# KiCad board Entrex Trapezoid Processor Board v37.kicad_pcb (continued)
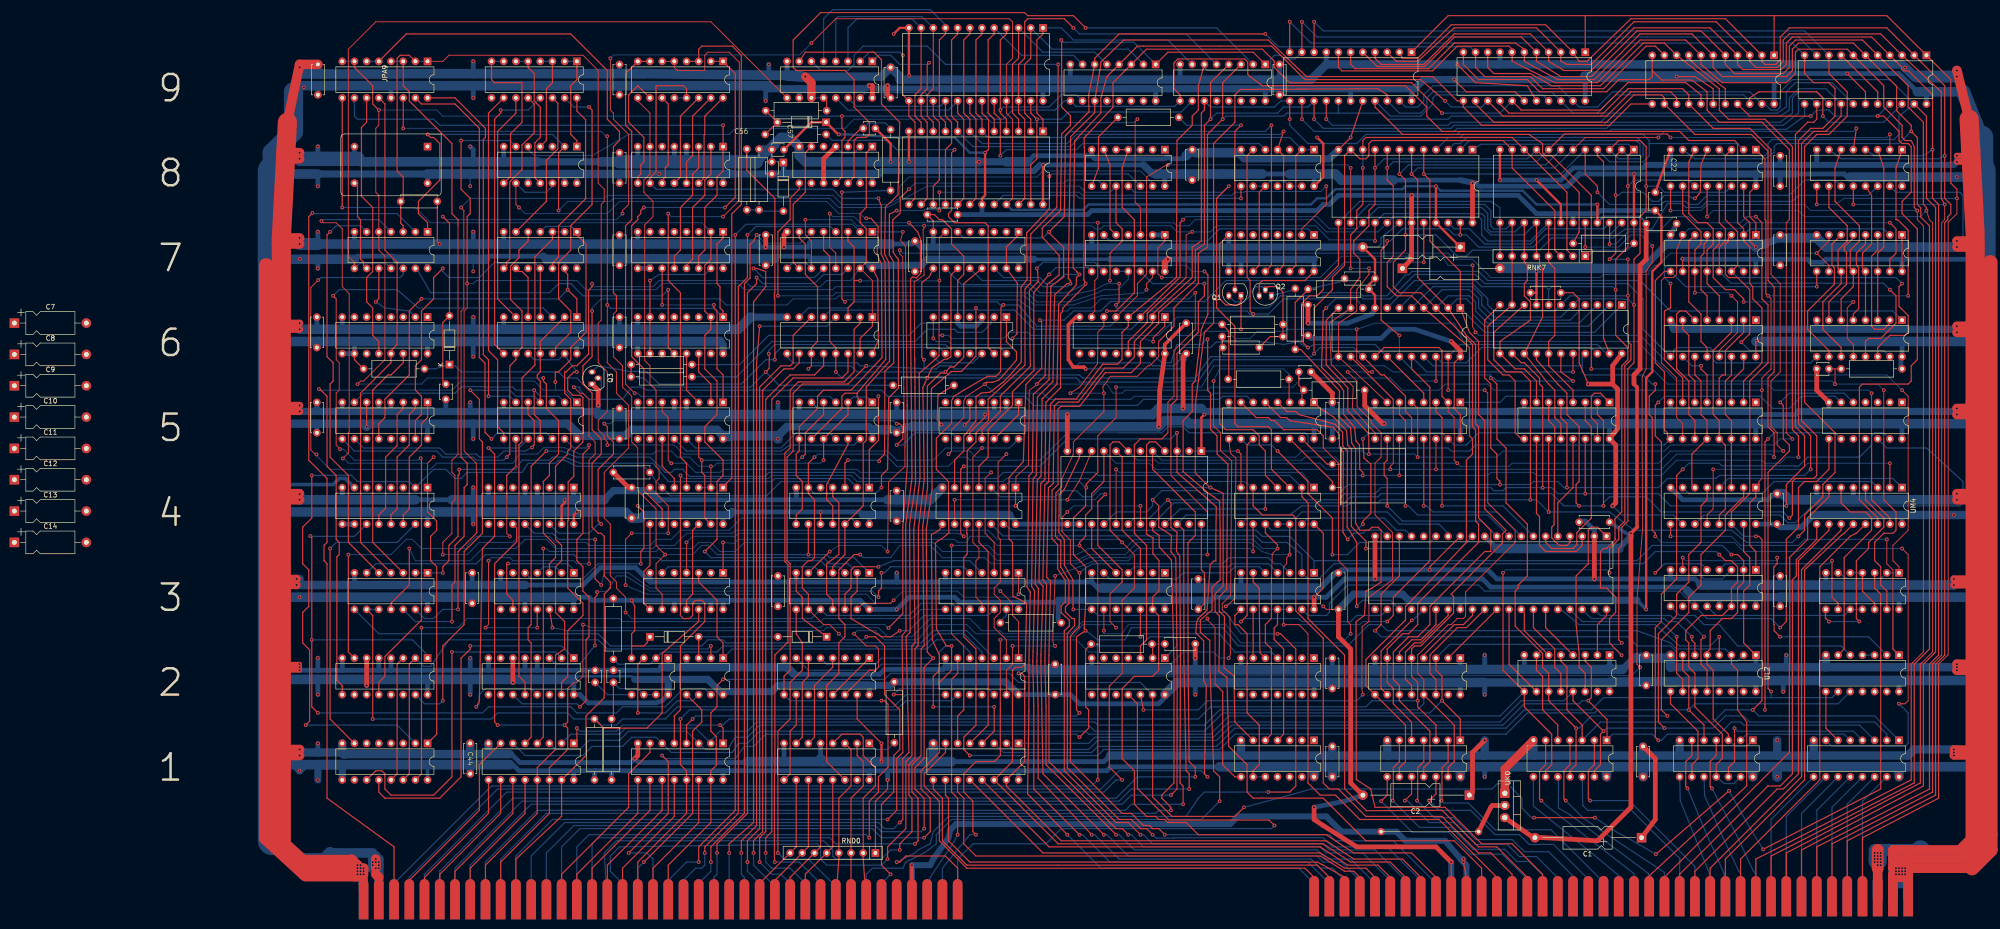
[diagram p0: board, top side]
## Routing (per net, layer and track width the routed paths; a pad name or vN(x,y) marks a point on that pad's centre or on a via; arc(x,y) is an arc through that point) (continued)
  Bottom w0.25: v1(147.72,166.69) 88.66,166.69 87.39,167.96 71.52,167.96 70.88,168.59 JPA9.10 70.88,171.13
JPA9_11: length 56.3
  Top w0.25: JPA9.11 73.42,167.32 72.33,166.24 72.33,151.9 74.69,149.54 74.69,136.21 73.42,134.94 73.42,129.86 74.69,128.59 74.69,122.87 75.96,121.6 UA6.12
JPA9_12: length 106.4
  Top w0.25: JPA9.12 77.23,171.13 77.23,140.65 79.77,138.11 79.77,120.97 78.5,119.7 UA6.13 78.5,117.16 72.15,110.81 72.15,79.69 UA3.4
JPA9_14: length 271.5
  Top w0.2: v1(127.4,65.09) 127.4,68.26 125.49,70.17 125.49,71.44 124.22,72.71 124.22,83.5 122.95,84.77 122.95,94.3 128.03,99.38 128.03,108.27 125.49,110.81 125.49,115.25 123.59,117.16 v1(123.59,129.22) 123.59,164.38 v1(123.55,164.41)
  Top w0.25: JPA9.14 v1(81.04,166.05) ; UC7.1 147.72,143.19 146.44,141.92 146.44,133.67 147.08,133.03 147.08,128.59 147.72,127.95 UC6.1
  Bottom w0.2: 128.66,63.82 v1(127.4,65.09) ; v1(81.04,166.05) 88.03,166.05 88.66,165.42 122.31,165.42 123.59,164.15
  Bottom w0.25: UC6.1 145.9,128.5 124.31,128.5 v1(123.59,129.22) ; 128.66,63.82 166.13,63.82 UD3.10 169.31,64.45 186.45,64.45 188.99,66.99 195.34,66.99 UE3.9
JPA9_15: length 95.5
  Top w0.25: v1(99.46,101.28) 98.09,102.64 98.09,117.07 96.91,118.25 96.91,166.05 91.84,171.13 84.85,171.13 JPA9.15
  Bottom w0.25: v1(99.46,101.28) 100.72,102.55 110.88,102.55 UB5.12
JPA9_16: length 77.5
  Top w0.25: JPA9.16 91.84,172.4 98.19,166.05 98.19,164.15 97.74,163.7 97.74,118.88 98.82,117.79 v1(98.82,110.17)
  Bottom w0.25: v1(98.82,110.17) 103.26,110.17 UB5.6
JPB9_1: length 21.4
  Top w0.25: JPB9.1 117.24,176.21 115.97,174.94 115.97,164.78 117.24,163.51 UB8.1
  Bottom w0.25: JPB9.1 JPB9.2
JPB9_3: length 21.4
  Top w0.25: UB8.4 110.88,163.51 110.88,174.31 112.16,175.58 JPB9.3
  Bottom w0.25: JPB9.3 JPB9.4
JPB9_6: length 29.9
  Top w0.25: JPB9.5 107.07,178.75 108.34,177.48 108.34,171.77 109.62,170.5 109.62,164.15 108.49,163.02 108.49,155.75 UB8.11
  Bottom w0.25: JPB9.5 JPB9.6
JPB9_8: length 35.5
  Top w0.25: UB8.8 103.41,156.04 103.41,164.93 105.81,167.32 105.81,175.58 100.09,175.58 99.46,176.21 JPB9.8
  Bottom w0.25: JPB9.8 JPB9.7
JPB9_10: length 73.8
  Top w0.25: UB5.8 102,102.55 100.72,103.82 100.72,117.79 98.82,119.7 98.82,169.23 JPB9.10
JPB9_11: length 48.9
  Top w0.25: JPB9.11 104.53,169.23 100.72,165.42 100.72,130.49 UB6.6
JPB9_12: length 38.7
  Top w0.25: JPB9.12 108.34,171.13 108.34,165.1 105.81,162.56 105.81,157.48 103.26,154.94 103.26,138.75 102.63,138.11 102.63,137.48 UB7.8
JPB9_13: length 61.4
  Top w0.25: v1(101.36,169.86) 101.36,169.23 100.09,167.96 100.09,120.97 UB6.8
  Bottom w0.25: v1(101.36,169.86) 107.07,169.86 JPB9.13
JPB9_14: length 32
  Top w0.25: JPB9.14 113.28,171.28 113.28,161.78 110.88,159.38 110.88,150.81 UB7.6
JPB9_15: length 63.1
  Top w0.25: v1(119.78,170.5) 120.41,169.86 120.41,150.18 115.97,145.73 115.97,140.65 113.43,138.11 113.43,130.49 115.97,127.95 115.97,123.51 112.79,120.33 112.79,119.7 UB6.12
  Bottom w0.25: JPB9.15 116.6,170.5 v1(119.78,170.5)
JPB9_16: length 39.2
  Top w0.25: JPB9.16 117.24,169.68 119.05,167.87 119.05,151.54 119.14,151.45 113.43,145.73 113.43,139.24 112.16,137.97 UB7.12
JPC9_1: length 121.8
  Top w0.25: v1(148.1,149.54) 150.25,151.7 150.25,177.48 JPC9.1 JPC9.2 ; v1(131.21,149.54) 130.57,148.91 130.57,148.27 129.94,147.64 129.94,147 128.66,145.73 128.66,118.43 131.21,115.89 131.21,90.49 135.01,86.68 UC4.9
  Bottom w0.2: v1(131.21,149.54) 148.35,149.54
JPC9_3: length 106.8
  Top w0.25: JPC9.4 JPC9.3 142.63,182.56 143.27,183.2 149.62,183.2 151.53,181.29 151.53,150.18 149.53,148.18 149.53,93.12 147.72,91.3 UC4.1
JPC9_5: length 125.9
  Top w0.2: v1(147.72,147.64) 151.1,151.02 151.1,179.81 148.99,181.93 144.54,181.93 143.91,181.29 143.91,178.12 138.19,178.12 137.56,178.75 JPC9.5 JPC9.6
  Top w0.25: v1(136.28,148.27) 136.28,134.3 138.82,131.76 138.82,97.47 140.09,96.2 UC4.4
  Bottom w0.2: v1(136.28,148.27) 136.92,147.64 v1(147.72,147.64)
JPC9_8: length 117.3
  Top w0.2: 127.4,128.38 127.4,112.71 v1(129.3,110.81)
  Top w0.25: 127.4,128.38 127.4,145.73 128.66,147 128.66,165.42 127.4,166.69 127.4,177.48 JPC9.8 JPC9.7
  Bottom w0.2: v1(129.3,110.81) 129.94,110.81 130.57,110.17 169.94,110.17
  Bottom w0.25: UD5.4 169.94,110.17
JPC9_9: length 213.2
  Top w0.2: v1(127.4,70.8) 127.4,80.33 v1(128.66,81.6) ; JPC9.9 129.94,171.77 132.47,169.23 UC8.7 132.47,156.53 131.21,155.26 131.21,152.72 133.11,150.81 133.11,147.64 131.38,145.9 131.38,117.62 132.47,116.52 132.47,112.71 133.75,111.44 133.75,95.57 134.38,94.93 134.38,93.03 133.75,92.39 133.75,89.85 136.28,87.31 v1(136.28,81.6) ; v1(183.28,67.63) 182.64,66.99 176.93,66.99 UD3.13 ; v1(209.31,68.9) UE3.1
  Bottom w0.2: v1(209.31,68.9) 208.68,68.26 197.88,68.26 196.61,69.53 185.18,69.53 v1(183.28,67.63) 182.64,66.99 179.47,66.99 177.56,68.9 131.84,68.9 128.66,70.17 v1(127.4,70.8) ; v1(128.66,81.6) v1(136.28,81.6)
JPC9_10: length 26.5
  Top w0.25: UC8.9 129.94,155.89 130.57,156.53 130.57,158.43 131.21,159.07 131.21,164.15 128.03,167.32 128.03,173.04 129.94,174.94 JPC9.10
JPC9_11: length 18.8
  Top w0.25: JPC9.11 136.28,171.13 136.28,158.43 135.65,157.8 135.65,155.89 135.01,155.26 UC8.11
JPC9_13: length 141
  Top w0.25: UD5.2 175.66,110.17 175.66,110.81 ; JPC9.13 140.09,174.31 139.46,174.94 133.75,174.94 133.75,157.02 132.47,155.75 UC8.10 ; 175.66,110.81 181.62,117.88 181.46,138.19 180.67,139.87 180.7,149.83 180.1,151.45 ; 175.66,110.81 173.12,110.81 172.48,110.17 172.48,107.63 UD5.9
  Bottom w0.25: 180.1,151.45 172.48,151.45 170.57,153.35 133.75,153.35 UC8.10 ; JPC9.12 JPC9.13
JPC9_14: length 19.9
  Top w0.25: UC8.12 138.82,155.89 138.82,168.59 JPC9.14
JPC9_15: length 19.9
  Top w0.25: UC8.13 140.09,159.07 141.37,160.34 141.37,168.59 JPC9.15
JPC9_16: length 19.9
  Top w0.25: JPC9.16 143.91,168.59 143.91,164.78 143.76,164.64 143.76,155.75 UC8.14
Q1_2: length 48.5
  Top w0.25: Q1.2 254.39,165.42 v1(255.67,166.69)
  Bottom w0.25: v1(255.67,166.69) 244.36,166.69 R14.2
Q1_3: length 29.7
  Top w0.25: Q2.2 261.38,133.03 263.29,133.03 264.43,131.89 R8.2 R7.2 261.76,122.62 C6.2
  Bottom w0.25: Q2.2 260.11,133.03 258.84,133.03 257.57,131.76 257.57,131.13 256.3,129.86 254.39,129.86 Q1.3
Q2_1: length 5.2
  Bottom w0.25: Q2.1 266.71,132.4 R10.1
Q3_2: length 42
  Bottom w0.25: R24.2 87.64,115.89 CR5.1 90.95,116.52 91.84,116.52 93.1,115.25 113.43,115.25 114.69,113.98 117.24,113.98 119.78,111.44 122.31,111.44 122.31,113.35 Q3.2
UA1_2: length 225.7
  Top w0.25: v1(61.99,93.66) 61.99,84.77 60.08,82.87 60.08,75.25 61.36,73.98 61.36,66.36 60.08,65.09 60.08,58.74 61.54,57.28 61.54,42.41 v1(60.72,41.59) ; UD4.4 170.57,89.22 171.84,87.95 171.84,77.15 169.31,75.25 169.31,68.9 170.57,67.63 UD3.11
  Bottom w0.25: UD4.4 169.31,92.39 159.78,92.39 156.79,89.41 136.73,89.41 UC4.6 133.75,92.39 C63.2 131.21,95.57 117.24,95.57 114.69,96.84 113.43,96.84 112.79,96.2 107.07,96.2 105.81,94.3 94.38,94.3 93.1,93.03 91.84,93.03 89.93,94.93 87.39,94.93 UA4.2 82.31,92.39 71.52,92.39 70.18,93.73 v1(61.99,93.66) ; v1(60.72,41.59) 79.77,41.59 UA1.2
UA1_11: length 73.5
  Top w0.25: v1(91.2,56.83) 91.2,30.8 87.39,26.99 78.5,26.99 77.23,28.26 77.23,31.43 76.59,32.07 75.33,32.07 UA1.11
  Bottom w0.25: v1(91.2,56.83) 112.79,56.83 UB2.2
UA1_12: length 72.8
  Top w0.25: UA1.12 75.96,27.62 77.23,26.35 88.66,26.35 93.1,30.8 93.1,55.56 95.01,57.38 v1(95.01,58.1)
  Bottom w0.25: v1(95.01,58.1) 114.06,58.1 UB2.1
UA1_13: length 26.5
  Top w0.25: UA2.3 79.77,54.29 79.77,31.43 UA1.13
UA1_14: length 95.3
  Top w0.25: UC2B1.2 v1(145.18,58.1) ; UA1.14 82.31,31.43 82.31,54.29 UA2.2
  Bottom w0.25: v1(145.18,58.1) 144.54,57.47 123.59,57.47 121.68,59.37 90.56,59.37 86.75,53.85 85.29,53.85 UA2.2
UA1_15: length 143.6
  Top w0.2: v1(84.85,61.91) 84.85,49.21
  Top w0.25: 84.85,49.21 84.85,31.43 UA1.15
  Bottom w0.2: v1(84.85,61.91) 92.47,61.91 94.38,63.82 126.12,63.82 126.76,63.18 168.03,63.18 168.67,63.82 187.09,63.82 188.99,65.72 UE3.8
UA2_1: length 162.4
  Top w0.25: v1(63.26,44.13) 61.99,45.4 v1(61.99,59.37) 61.99,80.73 v1(61.68,81.04)
  Bottom w0.25: 61.36,80.96 70.88,80.96 UA4.11 ; v1(61.99,59.37) 82.94,59.37 86.12,56.2 UA2.1 ; UC2B1.7 143.91,49.21 139.46,49.21 135.65,45.4 126.76,45.4 125.49,44.13 117.24,44.13 115.97,45.4 98.82,45.4 97.55,44.13 v1(63.26,44.13)
UA2_12: length 153.4
  Top w0.2: v1(67.89,99.13) 67.89,99.19 67.07,100.01 67.07,110.81 67.7,111.44 67.7,117.16 67.07,117.79 67.07,130.49
  Top w0.25: v1(66.44,131.13) 67.07,130.49 ; 84.85,84.77 84.85,63.5 77.23,55.88 77.23,51.75 75.96,50.48 UA2.12 ; 84.85,84.14 84.85,97.07 v1(84.68,97.24)
  Bottom w0.2: 84.85,97.47 84.22,96.84 70.88,96.84 68.58,99.13 v1(67.89,99.13)
  Bottom w0.25: UB6.3 110.25,128.59 84.22,128.59 79.77,132.4 67.7,132.4 v1(66.44,131.13)
UA3_5: length 85.1
  Top w0.25: UA3.5 69.61,79.69 69.61,93.66 65.8,97.47 65.8,112.71 66.44,113.35 66.44,117.16 65.17,118.43 65.17,143.83 v1(65.8,144.46)
  Bottom w0.25: v1(65.8,144.46) 67.07,145.73 72.15,145.73 UA7.6
UA3_6: length 102.9
  Bottom w0.25: 173.12,73.34 171.84,74.61 169.31,74.61 168.03,75.88 135.01,75.88 134.38,76.52 117.24,76.52 116.6,77.15 98.19,77.15 96.28,75.25 75.33,75.25 UA3.6
UA3_12: length 251.8
  Top w0.2: 93.1,112.08 93.1,127.88 93.68,128.45 93.68,148.84 93.74,148.91 v1(93.1,149.54)
  Top w0.25: v1(91.2,63.18) 91.2,70.8 91.84,71.44 91.84,79.06 93.74,80.96 93.74,91.12 94.38,91.76 94.38,96.2 93.1,97.47 93.1,112.08
  Bottom w0.2: UF8.13 237.25,154.62 234.71,157.16 214.39,157.16 213.12,155.89 186.45,155.89 184.54,153.99 184.54,151.45 182,150.18 172.48,150.18 170.57,152.08 123.59,152.08 122.95,151.45 95.01,151.45 v1(93.1,149.54)
  Bottom w0.25: v1(91.2,63.18) 83.58,63.18 UA3.12
UA4_10: length 2.5
  Bottom w1: UA4.10 UA4.9
UA4_15: length 62.6
  Top w0.25: UA1.7 65.8,42.86 v1(65.8,78.42)
  Bottom w0.25: UA4.15 79.77,79.69 67.07,79.69 v1(65.8,78.42)
UA5_1: length 27.5
  Top w0.25: UA5.1 86.12,105.73 84.85,104.46 84.85,100.01 82.31,97.47 82.31,86.68 81.04,85.41 UA4.14
UA5_2: length 27.5
  Top w0.25: UA4.13 78.5,85.41 79.77,86.68 79.77,97.47 82.31,100.01 82.31,106.36 83.58,107.63 UA5.2
UA5_3: length 27.5
  Top w0.25: UA5.3 81.04,107.63 79.77,106.36 79.77,99.87 77.38,97.47 77.38,86.82 75.96,85.41 UA4.12
UA6_2: length 16.5
  Top w0.25: UA7.10 75.96,130.49 v1(75.33,129.86)
  Bottom w0.25: UA6.2 82.31,127.95 77.23,128.59 v1(75.33,129.86)
UA6_14: length 51.4
  Top w0.25: UA3.3 74.69,79.69 74.69,111.44 77.86,114.62 78.5,114.62 81.04,117.16 UA6.14
UA7_4: length 152.4
  Top w0.2: v1(64,146.74) 64.37,146.37 67.07,146.37 68.34,145.1 68.34,133.03 69.78,131.59 69.78,102.72 69.61,102.55 69.61,98.35 v1(68.45,97.2) ; v1(87.39,97.47) 86.12,96.2 UA4.1
  Top w0.25: UA4.1 86.12,86.04 88.03,84.14 88.03,82.23 86.75,80.96 86.75,75.88 88.03,74.61 88.03,39.69 UA1.1
  Bottom w0.2: v1(68.45,97.2) 68.62,97.2 69.61,96.2 86.12,96.2 v1(87.39,97.47)
  Bottom w0.25: UA7.4 75.96,147 63.89,147
UA7_11: length 155.2
  Top w0.2: UA7.8 70.88,138.11 69.61,139.38 69.61,182.56 75.33,188.28 145.18,188.28 UD9.9
  Bottom w0.25: UA7.8 72,137.97 77.38,137.97 UA7.11
UA7_12: length 196
  Top w0.2: v1(63.33,134.4) 61.78,132.85 61.78,99 62.74,98.04 v1(62.96,98.04) ; v1(145.18,95.57) UC4.2
  Top w0.25: UD5.3 173.75,106.36 UD5.10 v1(168.67,96.84)
  Bottom w0.2: v1(168.67,96.84) 168.03,96.2 146.44,96.2 145.81,95.57 v1(145.18,95.57) 142.63,95.57 140.73,97.47 138.19,97.47 136.92,98.74 133.75,98.74 133.11,98.11 117.87,98.11 114.69,99.44 110.31,99.44 108.98,98.11 105.17,98.11 103.9,96.2 88.03,96.2 86.75,94.93 65.8,94.93 62.96,97.77 v1(62.96,98.04)
  Bottom w0.25: UD5.1 177.71,110.03 174.87,110.03 UD5.3 ; UA7.12 81.04,135.57 80.41,134.94 63.89,134.94 63.26,134.3 ; UC4.3 UC4.2
UA7_13: length 71.8
  Top w0.25: UC6.12 136.28,120.33 v1(136.28,132.4)
  Bottom w0.25: UA7.13 84.22,136.21 86.75,131.76 111.52,131.76 113.43,133.67 115.97,133.67 118.5,131.13 135.01,131.13 v1(136.28,132.4)
UB2_3: length 109.9
  Top w0.25: v1(180.1,68.26) 180.1,69.53 180.74,70.17 v1(180.74,73.34) ; v1(121.45,69.34) 121.45,69.34 121.45,68.67 121.01,68.23 v1(121.01,58.21)
  Bottom w0.2: 121.45,69.39 123.59,69.53 125.49,72.71 127.4,72.71 132.47,69.53 178.83,69.53 v1(180.1,68.26)
  Bottom w0.25: 121.04,58.1 120.41,57.47 117.87,54.29 112.79,54.29 UB2.3 ; v1(180.74,73.34) 181.37,73.34 182.64,74.61 197.88,74.61 UE3.5
UB2_11: length 78.7
  Top w0.25: v1(119.78,100.01) 119.78,99.38 118.5,98.11 118.5,81.6 117.24,80.33 117.24,75.88 118.5,74.61 118.5,69.53 119.78,68.26 119.78,60.01 119.14,59.37 119.14,46.67 v1(117.87,45.4)
  Bottom w0.25: v1(117.87,45.4) 117.24,46.04 105.81,46.04 UB2.11 ; v1(119.78,100.01) 119.14,99.38 116.6,99.38 UB5.13
UB3_4: length 6.1
  Bottom w0.25: UB3.2 112.79,74.61 110.25,74.61 UB3.4
UB3_9: length 25.3
  Top w0.25: v1(102.87,75.28) 102.63,75.04 102.63,68.9 103.9,67.63 UB3.9
  Bottom w0.25: 102.63,75.25 115.33,75.25 116.6,73.98 UB3.1
UB5_5: length 49.2
  Top w0.25: UB5.5 107.07,106.36 108.34,105.09 108.34,100.01 107.9,99.57 v1(107.9,99.5)
  Bottom w0.25: UA5.10 72.78,99.38 88.66,99.38 89.93,98.11 96.28,98.11 96.91,97.47 100.72,97.47 102,98.74 106.44,98.74 107.71,99.38
UB5_9: length 80.7
  Top w0.2: 102.63,89.22 102.63,81.6 v1(103.26,80.96)
  Top w0.25: v1(69.61,77.15) 69.61,56.83 UA2.7 ; UB5.9 104.53,95.57 102.63,93.66 102.63,89.22
  Bottom w0.2: v1(103.26,80.96) 96.28,80.96 94.38,79.06 94.38,78.42 84.85,78.42 82.94,80.33 81.68,80.33 78.5,77.15 v1(69.61,77.15)
UB5_10: length 80.7
  Top w0.25: v1(96.28,45.4) 96.91,46.67 97.55,78.42 100.09,80.96 100.09,98.11 v1(98.82,99.38)
  Bottom w0.25: v1(98.82,99.38) 105.17,99.38 UB5.10 ; UB2.13 107.71,49.21 98.19,49.21 96.91,47.94 96.91,46.04 v1(96.28,45.4)
UB5_11: length 57.2
  Top w0.25: v1(108.34,111.44) 108.34,106.36 109.62,105.09 UB5.11
  Bottom w0.25: UB5.2 113.43,110.17 109.62,110.17 v1(108.34,111.44) 104.53,111.44 103.9,112.08 98.19,112.08 98.09,112.17 93.19,112.17 91.84,110.81 72.78,110.81 UA5.7
UB6_1: length 75.4
  Top w0.25: UB7.13 114.69,136.21 115.33,135.57 v1(115.33,132.4) 117.24,130.49 UB6.1 ; UA5.12 75.96,104.46 77.23,105.73 77.23,109.54 82.31,114.62 82.31,127.95 v1(84.85,130.49)
  Bottom w0.25: v1(115.33,132.4) 113.43,130.49 v1(84.85,130.49)
UB6_5: length 11.6
  Top w0.25: UB6.5 107.07,134.94 105.81,136.21 105.17,136.21 UB7.9
UB6_9: length 87.2
  Top w0.25: v1(102.63,97.47) 103.26,98.11 103.26,116.52 104.53,117.79 UB6.9 105.81,120.33 105.81,127.95 103.41,130.35 103.41,137.31 105.17,139.07 105.17,140.65 107.07,142.56 UB7.5
  Bottom w0.25: v1(102.63,97.47) 102,96.84 96.28,96.84 95.65,97.47 89.29,97.47 88.03,98.74 70.88,98.74 UA5.9
UB6_11: length 112.1
  Top w0.25: v1(95.01,111.44) 96.91,109.54 96.91,101.28 97.55,100.65 97.55,81.6 93.74,77.79 93.74,62.55 89.29,58.1 v1(89.29,46.67) ; UB5.4 109.62,113.35 108.98,113.98 108.98,114.62 109.62,115.25 UB6.11 109.62,121.6 UB6.2
  Bottom w0.25: UA2.15 85.49,46.04 88.66,46.04 v1(89.29,46.67) ; v1(95.01,111.44) 103.26,111.44 104.53,110.17 108.34,110.17 UB5.4
UB6_13: length 88.5
  Top w0.25: v1(117.24,115.25) 116.6,115.25 115.33,113.98 115.33,111.44 116.39,110.38 118,110.38 118.5,109.88 118.5,100.65 116.6,98.74 116.6,93.48 115.42,92.3 115.42,84.23 115.33,84.14 115.33,70.17 118.5,66.99 118.5,64.45 115.33,61.28 115.33,51.75 114.06,50.48 UB2.15
  Bottom w0.25: UB6.10 108.34,117.79 113.43,117.79 UB6.13 115.33,117.79 v1(117.24,115.25)
UB7_1: length 168.5
  Top w0.25: UB7.1 117.24,143.83 119.14,141.92 119.14,123.51 115.97,120.33 115.97,117.79 113.38,115.21 112.75,115.21 v1(112.75,113.14) ; v1(63.47,111.69) 63.71,111.44 63.89,111.44 65.17,110.17 65.17,95.57 67.07,93.66 67.07,80.33 67.7,79.69 67.7,77.15 67.22,76.66 67.22,50.97 68.34,49.85 UA2.9
  Bottom w0.2: UB5.1 114.69,111.44 112.79,111.44 ; 112.79,111.44 112.79,113.35 ; 112.79,111.44 110.25,111.44 108.34,113.35 93.1,113.35 91.2,111.44 63.26,111.44
  Bottom w0.25: UB7.1 116.11,145.59 110.74,145.59 UB7.4
UB7_3: length 102.5
  Top w0.25: UB7.3 112.16,142.9 108.49,139.24 108.49,116.67 105.81,113.98 105.81,100.67 105.17,100.04 105.17,51.75 106.44,50.48 UB2.12
  Bottom w0.25: UB7.3 UB7.2
UB7_11: length 72.5
  Top w0.25: UB7.11 UB6.4 ; UA5.15 83.58,105.09 84.85,106.36 84.85,110.17 83.58,111.44 83.58,116.52 84.85,117.79 84.85,127.95 87.39,130.49 87.39,134.94 v1(89.29,136.84)
  Bottom w0.25: UB7.11 108.49,137.97 100.58,137.97 100.44,138.11 100.09,138.11 96.91,134.94 90.56,134.94 89.29,136.21 v1(89.29,136.84)
UB8_6: length 441
  Top w0.2: 96.37,94.21 96.28,94.3 96.28,96.2 93.74,98.74 93.74,127.95 94.38,128.59 v1(94.38,133.67)
  Top w0.25: v1(230.26,133.67) 230.26,129.86 v1(229.63,129.22) ; v1(92.47,65.72) 92.47,77.79 96.37,81.69 96.37,94.21 ; v1(93.1,163.51) 93.1,153.35 95.01,151.45 95.01,148.27 94.38,147.64 v1(94.38,133.67)
  Bottom w0.2: v1(94.38,133.67) 95.65,133.67 96.28,134.3 117.24,134.3 119.14,132.4 133.75,132.4 135.01,133.67 150.89,133.67 152.16,132.4 170.57,132.4 171.21,133.03 211.21,133.03 213.12,131.13 219.47,131.13 225.19,132.4 227.73,133.67 v1(230.26,133.67)
  Bottom w0.25: v1(229.63,129.22) 229.63,128.59 261.38,128.59 263.92,131.13 271.54,131.13 272.18,131.76 280.43,131.76 281.07,131.13 286.14,131.13 289.99,135.52 290.64,135.52 291.33,136.21 305.19,136.21 307.1,134.3 338.85,134.3 345.2,127.95 391.56,127.95 UM6.1 ; UB8.6 103.26,163.51 v1(93.1,163.51) ; UA3.13 85.49,63.82 87.39,63.82 89.29,65.72 v1(92.47,65.72)
UB8_9: length 167.7
  Top w0.2: v1(105.17,149.54) 104.53,150.18 UB8.9
  Top w0.25: v1(177.55,147.29) 178.55,147.29 180.06,145.55 179.81,139.73 180.73,137.74 180.85,118.25 174.38,111.44 168.67,111.44 167.4,110.17 167.4,107.63 163.59,103.82 UD5.8 163.59,98.74 162.96,98.11 162.96,93.66 164.22,92.39 164.22,86.68 162.96,85.41 162.96,83.5
  Bottom w0.2: 177.56,147 176.29,148.27 171.84,148.27 169.31,150.81 126.12,150.81 123.59,148.27 106.44,148.27 v1(105.17,149.54)
  Bottom w0.25: UB8.12 112.16,153.99 110.88,152.72 106.44,152.72 UB8.9
UC2A_3: length 26.2
  Top w0.25: v1(129.94,44.13) 129.94,54.29 UC2A1.3
  Bottom w0.25: v1(129.94,44.13) 135.65,44.13 138.19,46.67 141.37,46.67 UC2B1.6
UC2A_5: length 8.7
  Bottom w0.25: UC2A1.5 123.59,47.93 C4.2
UC2A_7: length 17.7
  Top w0.25: R6.1 124.85,43.24 C5.2
  Bottom w0.25: C5.2 126.12,49.21 129.91,49.21 UC2A1.6 UC2A1.7
UC2B_3: length 21
  Top w0.25: UC2B1.3 CR3.2
  Bottom w0.25: CR3.2 CR2.2
UC3_3: length 75.2
  Top w0.25: UC2B1.1 147.72,58.74 146.44,60.01 146.44,67.63 142.63,71.44 UC3.3
  Bottom w0.25: UC2B1.1 149.62,57.47 190.26,57.47 192.16,59.37 196.61,59.37 199.15,56.83 UE2.5
UC3_6: length 34.1
  Bottom w0.25: UD3.5 166.76,74.61 136.28,74.61 UC3.6
UC3_8: length 18.8
  Top w0.25: UC4.8 132.47,74.93 131.21,73.66 131.21,66.99 UC3.8
UC3_11: length 18.8
  Top w0.25: UC3.11 140.09,67.63 141.37,68.9 141.37,82.23 UC4.12
UC5_1: length 39.5
  Top w0.25: UC5.1 147.72,114.62 146.44,115.89 146.44,127.95 145.81,128.59 v1(145.81,129.22) ; UC7.11 v1(135.01,129.22)
  Bottom w0.2: v1(135.01,129.22) v1(145.81,129.22)
UC5_6: length 103.7
  Top w0.2: v1(136.92,96.2) 136.28,96.84 136.28,105.73 135.01,107 UC5.6 ; v1(203.59,94.3) 202.32,93.03 202.32,81.6 204.23,79.69 UE3.3
  Bottom w0.2: v1(203.59,94.3) 176.29,94.3 175.66,94.93 147.72,94.93 147.08,94.3 142,94.3 140.09,96.2 v1(136.92,96.2)
UC5_13: length 33.7
  Bottom w0.25: UC5.13 142,99.38 159.78,99.38 162.95,102.55 169.94,102.55 UD5.11
UC5_14: length 53.3
  Top w0.25: v1(164.22,97.47) 164.86,98.11 164.86,102.55 168.67,106.36 UD5.5 ; UC5.14 142.63,97.47 v1(143.27,96.84) 143.27,94.3 143.91,93.66 143.91,84.77 UC4.13
  Bottom w0.25: v1(164.22,97.47) 163.59,96.84 v1(143.27,96.84)
UC6_13: length 11.2
  Top w0.25: UC5.3 140.09,111.44 UC6.13
UC6_14: length 11.2
  Top w0.25: UC6.14 142.63,115.25 145.18,112.71 UC5.2
UC7_12: length 27.5
  Top w0.25: UC8.3 142.63,157.8 141.37,156.53 141.37,152.08 138.82,149.54 138.82,140.65 137.56,139.38 UC7.12
UC7_15: length 28.9
  Top w0.25: UC6.10 UC6.7 v1(132.47,134.3)
  Bottom w0.25: UC7.15 143.91,135.57 134.38,135.57 v1(132.47,134.3)
UC8_2: length 27.5
  Top w0.25: UC8.2 145.18,156.53 143.91,155.26 143.91,152.08 141.37,149.54 141.37,138.77 140.73,138.14 140.73,138.11 140.09,137.48 UC7.13
UD1_1: length 6.3
  Bottom w0.25: UD1.1 179.47,36.51 182,36.51 183.4,37.91
UD1_6: length 19.9
  Top w0.25: UD1.6 166.76,39.05 166.76,49.85 170.57,53.66 UD2.4
UD1_7: length 18.8
  Top w0.25: UD2.6 165.5,51.75 164.22,50.48 164.22,39.05 162.96,37.78
UD1_9: length 18.8
  Top w0.25: 162.96,47.94 162.96,41.59 161.69,40.32 161.69,31.43 UD1.9
UD2_13: length 10.8
  Top w0.25: UD2.1 UD2.13
UD2_14: length 159.6
  Top w0.2: UF4.10 222.02,92.6 v1(219.47,88.58) ; 179.47,53.02 180.1,53.66 180.1,57.47 179.47,58.1 177.56,58.1 v1(175.02,60.64) ; v1(195.97,88.58) UE4.9 ; v1(229.63,61.91) 228.36,63.18 228.36,68.9 230.9,71.44
  Top w0.25: v1(227.39,89.71) 225.82,88.14 225.82,79.06 230.9,73.98 230.9,71.44 ; 179.47,53.02 178.19,53.02 173.12,47.94
  Bottom w0.2: 227.09,89.85 226.45,89.85 225.19,88.58 v1(219.47,88.58) v1(195.97,88.58) ; v1(175.02,60.64) 175.66,61.28 179.47,61.28 181.37,59.37 188.35,59.37 190.9,62.55 198.51,62.55 200.42,60.64 205.5,60.64 206.13,60.01 220.74,60.01 222.64,62.55 229,62.55 v1(229.63,61.91)
UD3_12: length 37.6
  Top w0.25: v1(180.1,74.61) 175.02,74.61 174.38,73.98 174.38,70.17 173.12,68.9 173.12,65.72
  Bottom w0.25: v1(180.1,74.61) 183.28,75.88 199.15,75.88 UE3.4
UD4_1: length 36.7
  Top w0.25: UD4.1 178.19,99.06 180.1,100.96 v1(180.1,110.17)
  Bottom w0.25: v1(180.1,110.17) 180.1,107.92 179.81,107.63 167.4,107.63 UD5.6
UD4_2: length 116.2
  Top w0.25: v1(89.29,73.34) 89.29,74.61 90.56,75.88 90.56,79.06 92.47,80.96 92.47,93.66 92.71,93.91 v1(92.71,94.9)
  Bottom w0.25: v1(89.29,73.34) UA3.1 UA3.2 ; UD4.2 173.75,93.03 158.51,93.03 157.88,92.39 136.28,92.39 133.11,96.2 117.87,96.2 114.69,97.47 112.16,97.47 111.52,96.84 105.81,96.84 104.53,94.93 92.47,94.93
UD4_11: length 19.4
  Top w0.25: UD4.11 170.57,87.31 169.31,88.58 169.31,91.76 173.75,100.15 UD5.12
UD4_12: length 133.5
  Top w0.25: UD9.7 164.86,181.93 179.18,181.93 180.74,180.37 180.74,171.13 184.54,167.32 184.18,152.21 181.55,149.64 181.37,139.85 182.32,137.97 182.42,117.5 177.56,112.08 177.56,100.96 176.93,100.33 176.93,87.31 173.12,83.5 173.12,77.15 170.57,74.61 UD3.4
UD5_13: length 40.7
  Bottom w0.25: UC5.12 140.09,98.74 159.78,98.74 161.69,100.01 175.02,100.01 UD5.13
UD7_10: length 27.5
  Top w0.25: UD8.6 164.86,160.97 164.86,152.72 162.32,150.18 162.32,138.11 UD7.10
UD8_3: length 12.3
  Top w0.25: UD8.3 173.75,163.37 176.43,166.05 C65.1
  Bottom w0.25: R28.1 182.64,166.05 181.52,167.18 178.05,167.18 C65.1
UD9_1: length 44.6
  Top w0.25: UE8.14 190.26,151.45 190.26,167.32 188.99,168.59 UE9.14 188.99,173.04 190.26,174.31 190.26,179.39 190.6,179.73 v1(190.63,179.73)
  Bottom w0.25: v1(190.63,179.73) 190.29,179.39 184.54,179.39 182.64,181.29 180.1,181.29 UD9.1
UD9_2: length 42.6
  Top w0.25: v1(185.18,181.29) 185.18,173.04 UE9.13 186.45,168.59 187.72,167.32 187.72,151.45 UE8.13
  Bottom w0.25: UD9.2 178.19,181.93 184.54,181.93 v1(185.18,181.29)
UD9_3: length 46.4
  Top w0.25: UE9.11 188.99,174.31 187.72,173.04 187.72,168.59 188.99,167.32 UE8.11
  Bottom w0.25: UE9.11 187.09,188.91 175.66,188.91 173.75,187.01 UD9.3
UD9_4: length 53
  Top w0.25: UE9.10 191.53,174.31 190.26,173.04 190.26,168.59 191.53,167.32 UE8.10
  Bottom w0.25: UD9.4 171.21,188.91 171.66,189.36 189.17,189.36 UE9.10
UD9_5: length 59.7
  Top w0.25: UE8.9 194.07,167.32 192.8,168.59 192.8,184.47 194.07,185.74 UE9.9
  Bottom w0.25: UE9.9 194.07,187.64 190.9,190.82 170.57,190.82 168.67,188.91 UD9.5
UD9_13: length 49.9
  Top w0.25: UE9.17 196.61,169.23 197.88,167.96 197.88,151.45 UE8.17
  Bottom w0.25: UE9.17 194.71,169.86 173.75,169.86 UD9.13
UD9_15: length 39.1
  Top w0.25: UE9.15 191.53,168.59 192.8,167.32 192.8,155.26 191.53,153.99 UE8.15
  Bottom w0.25: UD9.15 177.41,173.53 189.77,173.53 UE9.15
UE1_4: length 61.5
  Top w0.25: UE4.8 192.8,82.23 191.14,81.33 191.33,59.36 192.8,56.2 192.8,53.02 191.53,51.75 v1(191.53,45.4) ; v1(204.23,45.4) 204.23,40.32 UE1.4
  Bottom w0.25: v1(204.23,45.4) v1(191.53,45.4)
UE1_5: length 48.1
  Top w0.25: UE4.11 201.06,79.69 202.96,77.79 202.96,41.59 UE1.5
UE2_1: length 128
  Top w0.2: v1(205.5,69.53) 208.04,66.99 208.04,64.45 209.31,63.18 UE2.1
  Top w0.25: v1(121.04,80.33) 121.04,72.07 v1(122.31,70.8)
  Bottom w0.2: v1(122.31,70.8) 122.95,73.34 128.03,73.34 132.47,70.17 204.87,70.17 v1(205.5,69.53)
  Bottom w0.25: v1(121.04,80.33) 113.43,80.33 112.16,81.6 108.34,81.6 UB4.12
UE2_2: length 171.3
  Top w0.2: v1(202.32,112.71) 198.33,110.09 197.88,109.19 197.88,105.73 195.34,103.19 195.34,98.74 v1(194.71,98.11) ; UE2.2 206.77,59.37 204.23,61.91 204.23,63.82 205.5,65.09 205.5,67.63 204.23,68.9 204.23,70.17 205.5,71.44 205.5,80.33 205.03,80.79 205.03,96.37 v1(206.77,98.11)
  Top w0.25: UH5.2 268.37,111.06 R2.1 267.73,112.46 C3.1 ; UE6.1 206.77,121.55 208.87,119.45 208.88,117.74 207.41,116.02 206.17,114.63 205.14,113.51 203.77,113.08 202.69,113.08 v1(202.32,112.71)
  Bottom w0.2: v1(202.32,112.71) 204.23,110.81 214.39,110.81 215.66,109.54 232.81,109.54 233.44,110.17 249.31,110.17 249.95,110.81 268.11,110.81 R2.1 ; v1(194.71,98.11) 195.34,98.74 199.15,98.74 200.42,97.47 206.13,97.47 v1(206.77,98.11)
UE2_3: length 140.7
  Bottom w0.25: UE2.3 198.51,61.28 191.53,61.28 188.99,58.74 148.35,58.74 147.72,59.37 144.54,59.37 143.27,58.1 124.22,58.1 121.68,60.64 75.96,60.64 UA3.8
UE2_4: length 82.3
  Bottom w0.25: UE2.4 201.69,56.83 197.88,60.64 192.16,60.64 189.62,58.1 147.72,58.1 146.44,56.83 135.01,56.83 134.05,55.87 ; R5.2 125.87,54.29 132.47,54.29 UC2A1.2
UE2_8: length 190.8
  Top w0.25: UC3.12 142.63,63.18 135.01,56.54 135.01,44.13 131.84,40.96 122.82,40.96 R4.1 ; UA3.9 74.69,64.45 v1(74.69,42.86)
  Bottom w0.25: UA3.10 UA3.9 ; v1(74.69,42.86) 99.46,42.86 100.72,44.13 115.33,44.13 116.6,42.86 R4.1 121.04,42.86 122.31,41.59 125.49,41.59 126.76,42.86 135.65,42.86 138.19,45.4 183.28,45.4 185.81,47.94 UE2.8
UE3_13: length 3.3
  Bottom w0.25: R27.1 205.5,63.18 206.77,64.45 UE3.13
UE4_1: length 577.9
  Top w0.2: v1(213.12,112.71) 213.12,112.62 211.53,111.4 211.47,105.25 211.43,103.65 211.37,95.82 208.79,93.45 UE4.1 ; 363.62,92.39 364.25,93.03 v1(364.25,111.44) 364.25,113.98 366.15,115.89 366.15,130.49 v1(365.52,131.13)
  Top w0.25: UF9.1 240.43,181.93 258.2,181.93 UH9.1 ; v1(218.2,184.47) 218.29,184.38 218.29,170.5 220.11,168.68 220.11,166.69 218.29,164.87 218.05,148.95 218.05,148.91 214.23,145.22 214.23,143.42 214.22,143.41 217.77,139.53 217.77,135.46 216.28,134.29 215.26,133.49 214.84,114.56 214.39,113.95 213.86,113.52 v1(213.12,112.71) ; v1(208.68,87.31) UE4.1 ; v1(365.52,131.13) 365.07,131.58 365.07,146.82 364.88,147 364.88,159.7 UL8.1 ; v1(130.57,75.25) 130.57,77.79 131.21,78.42 131.21,86.04 v1(129.94,87.31) ; UL3.1 362.98,77.79 361.71,79.06 361.71,87.95 362.98,89.22 UL4.1 363.62,91.76 363.62,92.39 ; UM8.1 392.19,157.8 392.19,147 392.54,147 394.73,144.81 394.73,131.16
  Bottom w0.2: v1(129.94,87.31) 181.44,87.31 181.47,87.28 208.64,87.28 v1(208.68,87.31) ; v1(213.12,112.71) 227.73,112.71 229,110.81 230.9,110.81 231.54,111.44 248.68,111.44 249.31,112.08 266.46,112.08 268.37,113.98 286.78,113.98 289.32,111.44 296.94,111.44 298.21,112.71 307.1,112.71 308.37,111.44 v1(364.25,111.44) ; v1(365.52,131.13) v1(394.73,131.13)
  Bottom w0.25: UB3.5 107.71,72.07 118.5,72.07 121.68,75.25 v1(130.57,75.25) ; UF9.1 233.25,184.02 218.65,184.02 v1(218.2,184.47)
